# KiCad board Parallel.kicad_pcb (continued)
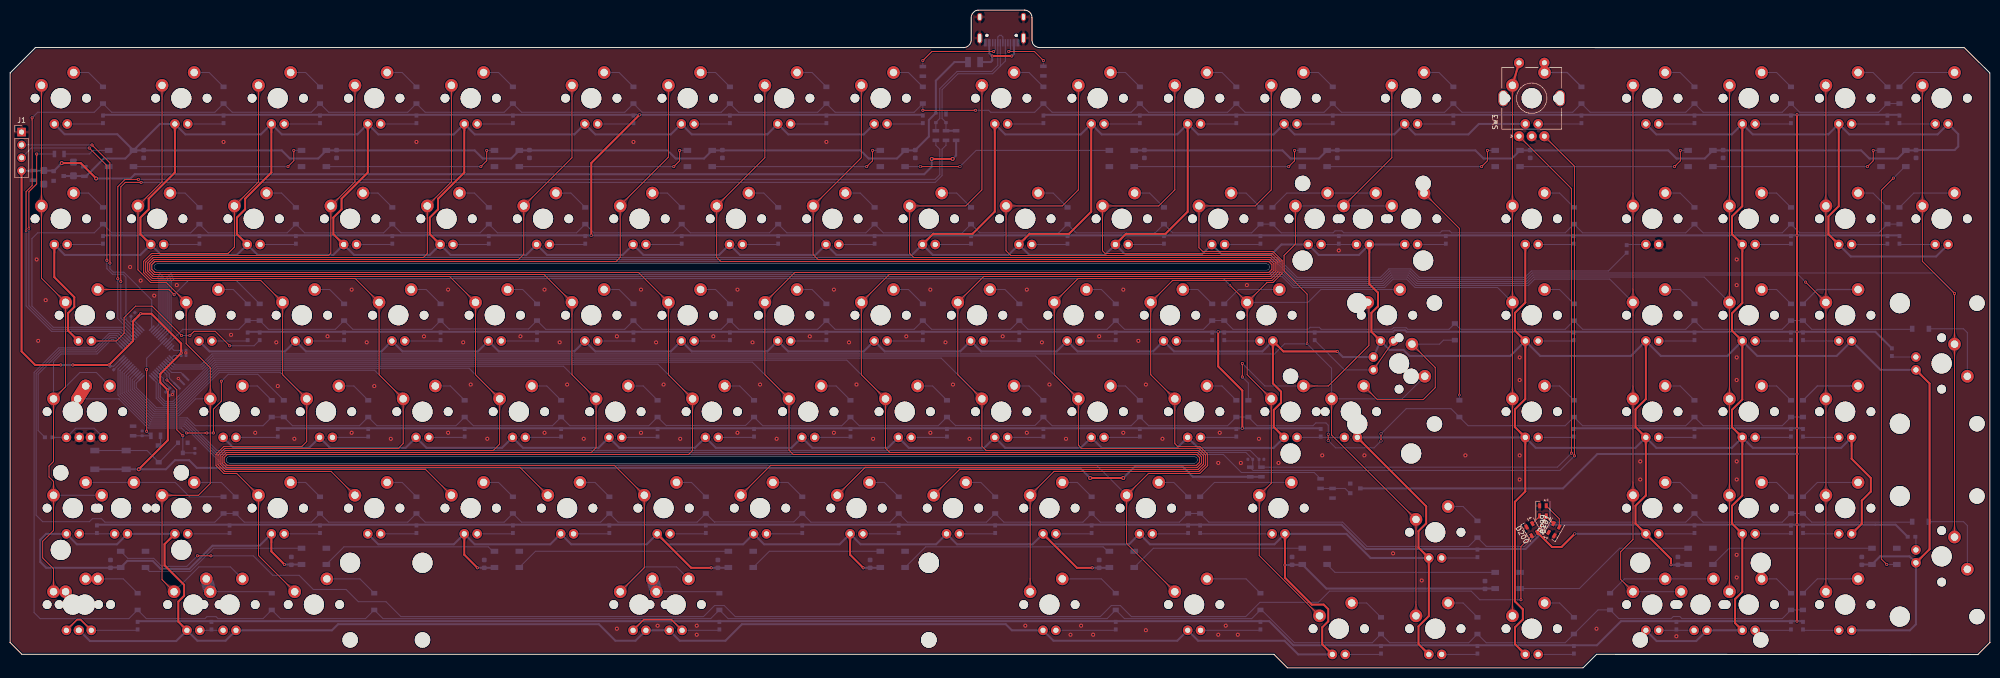
[diagram p0: board, top side]
## Copper pours and planes (outline as drawn; the poured copper is in the pictures) (continued)
SWDIO on Bottom: 3.47,102.1 2.27,101.6 1.96,100.45 3.11,100.76 3.61,101.96
Net-(D1-Pad1) on Bottom: 13.33,107.53 11.95,108.1 10.79,107.43 11.95,106.77 13.33,107.33
Net-(D2-Pad1) on Bottom: 37.14,107.53 35.76,108.1 34.61,107.43 35.76,106.77 37.14,107.33
Net-(D3-Pad1) on Bottom: 280.03,107.53 278.65,108.1 277.49,107.43 278.65,106.77 280.03,107.33
Net-(D4-Pad1) on Bottom: 303.84,107.53 302.46,108.1 301.31,107.43 302.46,106.77 303.84,107.33
Net-(D5-Pad1) on Bottom: 327.65,107.53 326.27,108.1 325.12,107.43 326.27,106.77 327.65,107.33
Net-(D6-Pad1) on Bottom: 56.19,107.53 54.81,108.1 53.66,107.43 54.81,106.77 56.19,107.33
Net-(D7-Pad1) on Bottom: 256.22,107.53 254.84,108.1 253.68,107.43 254.84,106.77 256.22,107.33
Net-(D8-Pad1) on Bottom: 237.17,107.53 235.79,108.1 234.63,107.43 235.79,106.77 237.17,107.33
Net-(D9-Pad1) on Bottom: 75.24,107.53 73.86,108.1 72.71,107.43 73.86,106.77 75.24,107.33
Net-(D10-Pad1) on Bottom: 175.25,107.53 173.87,108.1 172.72,107.43 173.87,106.77 175.25,107.33
Net-(D11-Pad1) on Bottom: 218.12,107.53 216.74,108.1 215.58,107.43 216.74,106.77 218.12,107.33
Net-(D12-Pad1) on Bottom: 94.29,107.53 92.91,108.1 91.76,107.43 92.91,106.77 94.29,107.33
Net-(D13-Pad1) on Bottom: 156.2,107.53 154.82,108.1 153.67,107.43 154.82,106.77 156.2,107.33
Net-(D14-Pad1) on Bottom: 199.07,107.53 197.69,108.1 196.53,107.43 197.69,106.77 199.07,107.33
Net-(D15-Pad1) on Bottom: 118.1,107.53 116.72,108.1 115.57,107.43 116.72,106.77 118.1,107.33
Net-(D16-Pad1) on Bottom: 137.15,107.53 135.77,108.1 134.62,107.43 135.77,106.77 137.15,107.33
Net-(D17-Pad2) on Bottom: 15.32,117.69 15.24,117.7 15.17,117.7 15.09,117.7 15.02,117.71 14.95,117.72 14.88,117.73 14.81,117.74 14.74,117.75 14.67,117.76 14.61,117.78 14.54,117.8 14.48,117.82 14.41,117.84 14.35,117.86 14.28,117.89 14.22,117.91 14.16,117.94 14.1,117.97 14.04,118.01 13.98,118.04 13.92,118.07 13.86,118.11 13.81,118.15 13.75,118.19 13.7,118.23 13.64,118.28 13.59,118.32 13.54,118.37 13.48,118.42 13.43,118.47 11.91,117.59 13.43,116.72 13.48,116.77 13.54,116.82 13.59,116.87 13.64,116.91 13.7,116.96 13.75,117 13.81,117.04 13.86,117.08 13.92,117.11 13.98,117.15 14.04,117.18 14.1,117.22 14.16,117.25 14.22,117.27 14.28,117.3 14.35,117.33 14.41,117.35 14.48,117.37 14.54,117.39 14.61,117.41 14.67,117.42 14.74,117.44 14.81,117.45 14.88,117.46 14.95,117.47 15.02,117.48 15.09,117.49 15.17,117.49 15.24,117.49 15.32,117.49
Net-(D18-Pad2) on Bottom: 15.32,93.88 15.24,93.88 15.17,93.89 15.09,93.89 15.02,93.9 14.95,93.9 14.88,93.91 14.81,93.92 14.74,93.94 14.67,93.95 14.61,93.97 14.54,93.99 14.48,94.01 14.41,94.03 14.35,94.05 14.28,94.08 14.22,94.1 14.16,94.13 14.1,94.16 14.04,94.19 13.98,94.23 13.92,94.26 13.86,94.3 13.81,94.34 13.75,94.38 13.7,94.42 13.64,94.46 13.59,94.51 13.54,94.56 13.48,94.61 13.43,94.66 11.91,93.78 13.43,92.91 13.48,92.96 13.54,93.01 13.59,93.05 13.64,93.1 13.7,93.14 13.75,93.19 13.81,93.23 13.86,93.27 13.92,93.3 13.98,93.34 14.04,93.37 14.1,93.4 14.16,93.43 14.22,93.46 14.28,93.49 14.35,93.51 14.41,93.54 14.48,93.56 14.54,93.58 14.61,93.6 14.67,93.61 14.74,93.63 14.81,93.64 14.88,93.65 14.95,93.66 15.02,93.67 15.09,93.67 15.17,93.68 15.24,93.68 15.32,93.68
Net-(D19-Pad2) on Bottom: 39.13,117.69 39.05,117.7 38.98,117.7 38.91,117.7 38.84,117.71 38.76,117.72 38.69,117.73 38.62,117.74 38.56,117.75 38.49,117.76 38.42,117.78 38.35,117.8 38.29,117.82 38.22,117.84 38.16,117.86 38.1,117.89 38.03,117.91 37.97,117.94 37.91,117.97 37.85,118.01 37.79,118.04 37.73,118.07 37.68,118.11 37.62,118.15 37.56,118.19 37.51,118.23 37.45,118.28 37.4,118.32 37.35,118.37 37.3,118.42 37.24,118.47 35.73,117.59 37.24,116.72 37.3,116.77 37.35,116.82 37.4,116.87 37.45,116.91 37.51,116.96 37.56,117 37.62,117.04 37.68,117.08 37.73,117.11 37.79,117.15 37.85,117.18 37.91,117.22 37.97,117.25 38.03,117.27 38.1,117.3 38.16,117.33 38.22,117.35 38.29,117.37 38.35,117.39 38.42,117.41 38.49,117.42 38.56,117.44 38.62,117.45 38.69,117.46 38.76,117.47 38.84,117.48 38.91,117.49 38.98,117.49 39.05,117.49 39.13,117.49
Net-(D20-Pad2) on Bottom: 34.37,93.88 34.29,93.88 34.22,93.89 34.14,93.89 34.07,93.9 34,93.9 33.93,93.91 33.86,93.92 33.79,93.94 33.72,93.95 33.66,93.97 33.59,93.99 33.53,94.01 33.46,94.03 33.4,94.05 33.33,94.08 33.27,94.1 33.21,94.13 33.15,94.16 33.09,94.19 33.03,94.23 32.97,94.26 32.91,94.3 32.86,94.34 32.8,94.38 32.75,94.42 32.69,94.46 32.64,94.51 32.59,94.56 32.53,94.61 32.48,94.66 30.96,93.78 32.48,92.91 32.53,92.96 32.59,93.01 32.64,93.05 32.69,93.1 32.75,93.14 32.8,93.19 32.86,93.23 32.91,93.27 32.97,93.3 33.03,93.34 33.09,93.37 33.15,93.4 33.21,93.43 33.27,93.46 33.33,93.49 33.4,93.51 33.46,93.54 33.53,93.56 33.59,93.58 33.66,93.6 33.72,93.61 33.79,93.63 33.86,93.64 33.93,93.65 34,93.66 34.07,93.67 34.14,93.67 34.22,93.68 34.29,93.68 34.37,93.68
Net-(D21-Pad2) on Bottom: 58.18,117.69 58.1,117.7 58.03,117.7 57.96,117.7 57.89,117.71 57.81,117.72 57.74,117.73 57.67,117.74 57.61,117.75 57.54,117.76 57.47,117.78 57.4,117.8 57.34,117.82 57.27,117.84 57.21,117.86 57.15,117.89 57.08,117.91 57.02,117.94 56.96,117.97 56.9,118.01 56.84,118.04 56.78,118.07 56.73,118.11 56.67,118.15 56.61,118.19 56.56,118.23 56.5,118.28 56.45,118.32 56.4,118.37 56.35,118.42 56.29,118.47 54.78,117.59 56.29,116.72 56.35,116.77 56.4,116.82 56.45,116.87 56.5,116.91 56.56,116.96 56.61,117 56.67,117.04 56.73,117.08 56.78,117.11 56.84,117.15 56.9,117.18 56.96,117.22 57.02,117.25 57.08,117.27 57.15,117.3 57.21,117.33 57.27,117.35 57.34,117.37 57.4,117.39 57.47,117.41 57.54,117.42 57.61,117.44 57.67,117.45 57.74,117.46 57.81,117.47 57.89,117.48 57.96,117.49 58.03,117.49 58.1,117.49 58.18,117.49
Net-(D22-Pad2) on Bottom: 53.42,93.88 53.34,93.88 53.27,93.89 53.19,93.89 53.12,93.9 53.05,93.9 52.98,93.91 52.91,93.92 52.84,93.94 52.77,93.95 52.71,93.97 52.64,93.99 52.58,94.01 52.51,94.03 52.45,94.05 52.38,94.08 52.32,94.1 52.26,94.13 52.2,94.16 52.14,94.19 52.08,94.23 52.02,94.26 51.96,94.3 51.91,94.34 51.85,94.38 51.8,94.42 51.74,94.46 51.69,94.51 51.64,94.56 51.58,94.61 51.53,94.66 50.01,93.78 51.53,92.91 51.58,92.96 51.64,93.01 51.69,93.05 51.74,93.1 51.8,93.14 51.85,93.19 51.91,93.23 51.96,93.27 52.02,93.3 52.08,93.34 52.14,93.37 52.2,93.4 52.26,93.43 52.32,93.46 52.38,93.49 52.45,93.51 52.51,93.54 52.58,93.56 52.64,93.58 52.71,93.6 52.77,93.61 52.84,93.63 52.91,93.64 52.98,93.65 53.05,93.66 53.12,93.67 53.19,93.67 53.27,93.68 53.34,93.68 53.42,93.68
Net-(D23-Pad2) on Bottom: 77.23,117.69 77.15,117.7 77.08,117.7 77.01,117.7 76.94,117.71 76.86,117.72 76.79,117.73 76.72,117.74 76.66,117.75 76.59,117.76 76.52,117.78 76.45,117.8 76.39,117.82 76.32,117.84 76.26,117.86 76.2,117.89 76.13,117.91 76.07,117.94 76.01,117.97 75.95,118.01 75.89,118.04 75.83,118.07 75.78,118.11 75.72,118.15 75.66,118.19 75.61,118.23 75.55,118.28 75.5,118.32 75.45,118.37 75.4,118.42 75.34,118.47 73.83,117.59 75.34,116.72 75.4,116.77 75.45,116.82 75.5,116.87 75.55,116.91 75.61,116.96 75.66,117 75.72,117.04 75.78,117.08 75.83,117.11 75.89,117.15 75.95,117.18 76.01,117.22 76.07,117.25 76.13,117.27 76.2,117.3 76.26,117.33 76.32,117.35 76.39,117.37 76.45,117.39 76.52,117.41 76.59,117.42 76.66,117.44 76.72,117.45 76.79,117.46 76.86,117.47 76.94,117.48 77.01,117.49 77.08,117.49 77.15,117.49 77.23,117.49
Net-(D24-Pad2) on Bottom: 72.47,93.88 72.39,93.88 72.32,93.89 72.24,93.89 72.17,93.9 72.1,93.9 72.03,93.91 71.96,93.92 71.89,93.94 71.82,93.95 71.76,93.97 71.69,93.99 71.63,94.01 71.56,94.03 71.5,94.05 71.43,94.08 71.37,94.1 71.31,94.13 71.25,94.16 71.19,94.19 71.13,94.23 71.07,94.26 71.01,94.3 70.96,94.34 70.9,94.38 70.85,94.42 70.79,94.46 70.74,94.51 70.69,94.56 70.63,94.61 70.58,94.66 69.06,93.78 70.58,92.91 70.63,92.96 70.69,93.01 70.74,93.05 70.79,93.1 70.85,93.14 70.9,93.19 70.96,93.23 71.01,93.27 71.07,93.3 71.13,93.34 71.19,93.37 71.25,93.4 71.31,93.43 71.37,93.46 71.43,93.49 71.5,93.51 71.56,93.54 71.63,93.56 71.69,93.58 71.76,93.6 71.82,93.61 71.89,93.63 71.96,93.64 72.03,93.65 72.1,93.66 72.17,93.67 72.24,93.67 72.32,93.68 72.39,93.68 72.47,93.68
Net-(D25-Pad2) on Bottom: 96.28,117.69 96.2,117.7 96.13,117.7 96.06,117.7 95.99,117.71 95.91,117.72 95.84,117.73 95.77,117.74 95.71,117.75 95.64,117.76 95.57,117.78 95.5,117.8 95.44,117.82 95.37,117.84 95.31,117.86 95.25,117.89 95.18,117.91 95.12,117.94 95.06,117.97 95,118.01 94.94,118.04 94.88,118.07 94.83,118.11 94.77,118.15 94.71,118.19 94.66,118.23 94.6,118.28 94.55,118.32 94.5,118.37 94.45,118.42 94.39,118.47 92.88,117.59 94.39,116.72 94.45,116.77 94.5,116.82 94.55,116.87 94.6,116.91 94.66,116.96 94.71,117 94.77,117.04 94.83,117.08 94.88,117.11 94.94,117.15 95,117.18 95.06,117.22 95.12,117.25 95.18,117.27 95.25,117.3 95.31,117.33 95.37,117.35 95.44,117.37 95.5,117.39 95.57,117.41 95.64,117.42 95.71,117.44 95.77,117.45 95.84,117.46 95.91,117.47 95.99,117.48 96.06,117.49 96.13,117.49 96.2,117.49 96.28,117.49
Net-(D26-Pad2) on Bottom: 91.52,93.88 91.44,93.88 91.37,93.89 91.29,93.89 91.22,93.9 91.15,93.9 91.08,93.91 91.01,93.92 90.94,93.94 90.87,93.95 90.81,93.97 90.74,93.99 90.68,94.01 90.61,94.03 90.55,94.05 90.48,94.08 90.42,94.1 90.36,94.13 90.3,94.16 90.24,94.19 90.18,94.23 90.12,94.26 90.06,94.3 90.01,94.34 89.95,94.38 89.9,94.42 89.84,94.46 89.79,94.51 89.74,94.56 89.68,94.61 89.63,94.66 88.11,93.78 89.63,92.91 89.68,92.96 89.74,93.01 89.79,93.05 89.84,93.1 89.9,93.14 89.95,93.19 90.01,93.23 90.06,93.27 90.12,93.3 90.18,93.34 90.24,93.37 90.3,93.4 90.36,93.43 90.42,93.46 90.48,93.49 90.55,93.51 90.61,93.54 90.68,93.56 90.74,93.58 90.81,93.6 90.87,93.61 90.94,93.63 91.01,93.64 91.08,93.65 91.15,93.66 91.22,93.67 91.29,93.67 91.37,93.68 91.44,93.68 91.52,93.68
Net-(D27-Pad2) on Bottom: 120.09,117.69 120.02,117.7 119.94,117.7 119.87,117.7 119.8,117.71 119.73,117.72 119.66,117.73 119.59,117.74 119.52,117.75 119.45,117.76 119.38,117.78 119.32,117.8 119.25,117.82 119.19,117.84 119.12,117.86 119.06,117.89 119,117.91 118.93,117.94 118.87,117.97 118.81,118.01 118.75,118.04 118.7,118.07 118.64,118.11 118.58,118.15 118.53,118.19 118.47,118.23 118.42,118.28 118.36,118.32 118.31,118.37 118.26,118.42 118.21,118.47 116.69,117.59 118.21,116.72 118.26,116.77 118.31,116.82 118.36,116.87 118.42,116.91 118.47,116.96 118.53,117 118.58,117.04 118.64,117.08 118.7,117.11 118.75,117.15 118.81,117.18 118.87,117.22 118.93,117.25 119,117.27 119.06,117.3 119.12,117.33 119.19,117.35 119.25,117.37 119.32,117.39 119.38,117.41 119.45,117.42 119.52,117.44 119.59,117.45 119.66,117.46 119.73,117.47 119.8,117.48 119.87,117.49 119.94,117.49 120.02,117.49 120.09,117.49
Net-(D28-Pad2) on Bottom: 110.57,93.88 110.49,93.88 110.42,93.89 110.34,93.89 110.27,93.9 110.2,93.9 110.13,93.91 110.06,93.92 109.99,93.94 109.92,93.95 109.86,93.97 109.79,93.99 109.73,94.01 109.66,94.03 109.6,94.05 109.53,94.08 109.47,94.1 109.41,94.13 109.35,94.16 109.29,94.19 109.23,94.23 109.17,94.26 109.11,94.3 109.06,94.34 109,94.38 108.95,94.42 108.89,94.46 108.84,94.51 108.79,94.56 108.73,94.61 108.68,94.66 107.16,93.78 108.68,92.91 108.73,92.96 108.79,93.01 108.84,93.05 108.89,93.1 108.95,93.14 109,93.19 109.06,93.23 109.11,93.27 109.17,93.3 109.23,93.34 109.29,93.37 109.35,93.4 109.41,93.43 109.47,93.46 109.53,93.49 109.6,93.51 109.66,93.54 109.73,93.56 109.79,93.58 109.86,93.6 109.92,93.61 109.99,93.63 110.06,93.64 110.13,93.65 110.2,93.66 110.27,93.67 110.34,93.67 110.42,93.68 110.49,93.68 110.57,93.68
Net-(D29-Pad2) on Bottom: 139.14,117.69 139.07,117.7 138.99,117.7 138.92,117.7 138.85,117.71 138.78,117.72 138.71,117.73 138.64,117.74 138.57,117.75 138.5,117.76 138.43,117.78 138.37,117.8 138.3,117.82 138.24,117.84 138.17,117.86 138.11,117.89 138.05,117.91 137.98,117.94 137.92,117.97 137.86,118.01 137.8,118.04 137.75,118.07 137.69,118.11 137.63,118.15 137.58,118.19 137.52,118.23 137.47,118.28 137.41,118.32 137.36,118.37 137.31,118.42 137.26,118.47 135.74,117.59 137.26,116.72 137.31,116.77 137.36,116.82 137.41,116.87 137.47,116.91 137.52,116.96 137.58,117 137.63,117.04 137.69,117.08 137.75,117.11 137.8,117.15 137.86,117.18 137.92,117.22 137.98,117.25 138.05,117.27 138.11,117.3 138.17,117.33 138.24,117.35 138.3,117.37 138.37,117.39 138.43,117.41 138.5,117.42 138.57,117.44 138.64,117.45 138.71,117.46 138.78,117.47 138.85,117.48 138.92,117.49 138.99,117.49 139.07,117.49 139.14,117.49
Net-(D30-Pad2) on Bottom: 129.62,93.88 129.54,93.88 129.47,93.89 129.39,93.89 129.32,93.9 129.25,93.9 129.18,93.91 129.11,93.92 129.04,93.94 128.97,93.95 128.91,93.97 128.84,93.99 128.78,94.01 128.71,94.03 128.65,94.05 128.58,94.08 128.52,94.1 128.46,94.13 128.4,94.16 128.34,94.19 128.28,94.23 128.22,94.26 128.16,94.3 128.11,94.34 128.05,94.38 128,94.42 127.94,94.46 127.89,94.51 127.84,94.56 127.78,94.61 127.73,94.66 126.21,93.78 127.73,92.91 127.78,92.96 127.84,93.01 127.89,93.05 127.94,93.1 128,93.14 128.05,93.19 128.11,93.23 128.16,93.27 128.22,93.3 128.28,93.34 128.34,93.37 128.4,93.4 128.46,93.43 128.52,93.46 128.58,93.49 128.65,93.51 128.71,93.54 128.78,93.56 128.84,93.58 128.91,93.6 128.97,93.61 129.04,93.63 129.11,93.64 129.18,93.65 129.25,93.66 129.32,93.67 129.39,93.67 129.47,93.68 129.54,93.68 129.62,93.68
Net-(D31-Pad2) on Bottom: 158.19,117.69 158.12,117.7 158.04,117.7 157.97,117.7 157.9,117.71 157.83,117.72 157.76,117.73 157.69,117.74 157.62,117.75 157.55,117.76 157.48,117.78 157.42,117.8 157.35,117.82 157.29,117.84 157.22,117.86 157.16,117.89 157.1,117.91 157.03,117.94 156.97,117.97 156.91,118.01 156.85,118.04 156.8,118.07 156.74,118.11 156.68,118.15 156.63,118.19 156.57,118.23 156.52,118.28 156.46,118.32 156.41,118.37 156.36,118.42 156.31,118.47 154.79,117.59 156.31,116.72 156.36,116.77 156.41,116.82 156.46,116.87 156.52,116.91 156.57,116.96 156.63,117 156.68,117.04 156.74,117.08 156.8,117.11 156.85,117.15 156.91,117.18 156.97,117.22 157.03,117.25 157.1,117.27 157.16,117.3 157.22,117.33 157.29,117.35 157.35,117.37 157.42,117.39 157.48,117.41 157.55,117.42 157.62,117.44 157.69,117.45 157.76,117.46 157.83,117.47 157.9,117.48 157.97,117.49 158.04,117.49 158.12,117.49 158.19,117.49
Net-(D32-Pad2) on Bottom: 148.67,93.88 148.59,93.88 148.52,93.89 148.44,93.89 148.37,93.9 148.3,93.9 148.23,93.91 148.16,93.92 148.09,93.94 148.02,93.95 147.96,93.97 147.89,93.99 147.83,94.01 147.76,94.03 147.7,94.05 147.63,94.08 147.57,94.1 147.51,94.13 147.45,94.16 147.39,94.19 147.33,94.23 147.27,94.26 147.21,94.3 147.16,94.34 147.1,94.38 147.05,94.42 146.99,94.46 146.94,94.51 146.89,94.56 146.83,94.61 146.78,94.66 145.26,93.78 146.78,92.91 146.83,92.96 146.89,93.01 146.94,93.05 146.99,93.1 147.05,93.14 147.1,93.19 147.16,93.23 147.21,93.27 147.27,93.3 147.33,93.34 147.39,93.37 147.45,93.4 147.51,93.43 147.57,93.46 147.63,93.49 147.7,93.51 147.76,93.54 147.83,93.56 147.89,93.58 147.96,93.6 148.02,93.61 148.09,93.63 148.16,93.64 148.23,93.65 148.3,93.66 148.37,93.67 148.44,93.67 148.52,93.68 148.59,93.68 148.67,93.68
Net-(D33-Pad2) on Bottom: 177.24,117.69 177.17,117.7 177.09,117.7 177.02,117.7 176.95,117.71 176.88,117.72 176.81,117.73 176.74,117.74 176.67,117.75 176.6,117.76 176.53,117.78 176.47,117.8 176.4,117.82 176.34,117.84 176.27,117.86 176.21,117.89 176.15,117.91 176.08,117.94 176.02,117.97 175.96,118.01 175.9,118.04 175.85,118.07 175.79,118.11 175.73,118.15 175.68,118.19 175.62,118.23 175.57,118.28 175.51,118.32 175.46,118.37 175.41,118.42 175.36,118.47 173.84,117.59 175.36,116.72 175.41,116.77 175.46,116.82 175.51,116.87 175.57,116.91 175.62,116.96 175.68,117 175.73,117.04 175.79,117.08 175.85,117.11 175.9,117.15 175.96,117.18 176.02,117.22 176.08,117.25 176.15,117.27 176.21,117.3 176.27,117.33 176.34,117.35 176.4,117.37 176.47,117.39 176.53,117.41 176.6,117.42 176.67,117.44 176.74,117.45 176.81,117.46 176.88,117.47 176.95,117.48 177.02,117.49 177.09,117.49 177.17,117.49 177.24,117.49
Net-(D34-Pad2) on Bottom: 167.72,93.88 167.64,93.88 167.57,93.89 167.49,93.89 167.42,93.9 167.35,93.9 167.28,93.91 167.21,93.92 167.14,93.94 167.07,93.95 167.01,93.97 166.94,93.99 166.88,94.01 166.81,94.03 166.75,94.05 166.68,94.08 166.62,94.1 166.56,94.13 166.5,94.16 166.44,94.19 166.38,94.23 166.32,94.26 166.26,94.3 166.21,94.34 166.15,94.38 166.1,94.42 166.04,94.46 165.99,94.51 165.94,94.56 165.88,94.61 165.83,94.66 164.31,93.78 165.83,92.91 165.88,92.96 165.94,93.01 165.99,93.05 166.04,93.1 166.1,93.14 166.15,93.19 166.21,93.23 166.26,93.27 166.32,93.3 166.38,93.34 166.44,93.37 166.5,93.4 166.56,93.43 166.62,93.46 166.68,93.49 166.75,93.51 166.81,93.54 166.88,93.56 166.94,93.58 167.01,93.6 167.07,93.61 167.14,93.63 167.21,93.64 167.28,93.65 167.35,93.66 167.42,93.67 167.49,93.67 167.57,93.68 167.64,93.68 167.72,93.68
Net-(D35-Pad1) on Top: 131.24,8.69 131.76,7.43 133.05,7.08 132.7,8.37 131.45,8.9
Net-(D35-Pad1) on Top: 124.29,8.9 123.04,8.37 122.69,7.08 123.98,7.43 124.51,8.69
Net-(D35-Pad1) on Bottom: 134.77,7.52 133.39,8.09 132.24,7.42 133.39,6.75 134.77,7.32
Net-(D36-Pad2) on Bottom: 201.05,117.69 200.98,117.7 200.91,117.7 200.83,117.7 200.76,117.71 200.69,117.72 200.62,117.73 200.55,117.74 200.48,117.75 200.41,117.76 200.34,117.78 200.28,117.8 200.21,117.82 200.15,117.84 200.08,117.86 200.02,117.89 199.96,117.91 199.9,117.94 199.84,117.97 199.78,118.01 199.72,118.04 199.66,118.07 199.6,118.11 199.54,118.15 199.49,118.19 199.43,118.23 199.38,118.28 199.33,118.32 199.27,118.37 199.22,118.42 199.17,118.47 197.65,117.59 199.17,116.72 199.22,116.77 199.27,116.82 199.33,116.87 199.38,116.91 199.43,116.96 199.49,117 199.54,117.04 199.6,117.08 199.66,117.11 199.72,117.15 199.78,117.18 199.84,117.22 199.9,117.25 199.96,117.27 200.02,117.3 200.08,117.33 200.15,117.35 200.21,117.37 200.28,117.39 200.34,117.41 200.41,117.42 200.48,117.44 200.55,117.45 200.62,117.46 200.69,117.47 200.76,117.48 200.83,117.49 200.91,117.49 200.98,117.49 201.05,117.49
Net-(D37-Pad2) on Bottom: 186.77,93.88 186.69,93.88 186.62,93.89 186.54,93.89 186.47,93.9 186.4,93.9 186.33,93.91 186.26,93.92 186.19,93.94 186.12,93.95 186.06,93.97 185.99,93.99 185.93,94.01 185.86,94.03 185.8,94.05 185.73,94.08 185.67,94.1 185.61,94.13 185.55,94.16 185.49,94.19 185.43,94.23 185.37,94.26 185.31,94.3 185.26,94.34 185.2,94.38 185.15,94.42 185.09,94.46 185.04,94.51 184.99,94.56 184.93,94.61 184.88,94.66 183.36,93.78 184.88,92.91 184.93,92.96 184.99,93.01 185.04,93.05 185.09,93.1 185.15,93.14 185.2,93.19 185.26,93.23 185.31,93.27 185.37,93.3 185.43,93.34 185.49,93.37 185.55,93.4 185.61,93.43 185.67,93.46 185.73,93.49 185.8,93.51 185.86,93.54 185.93,93.56 185.99,93.58 186.06,93.6 186.12,93.61 186.19,93.63 186.26,93.64 186.33,93.65 186.4,93.66 186.47,93.67 186.54,93.67 186.62,93.68 186.69,93.68 186.77,93.68
Net-(D39-Pad2) on Bottom: 220.1,117.69 220.03,117.7 219.96,117.7 219.88,117.7 219.81,117.71 219.74,117.72 219.67,117.73 219.6,117.74 219.53,117.75 219.46,117.76 219.39,117.78 219.33,117.8 219.26,117.82 219.2,117.84 219.13,117.86 219.07,117.89 219.01,117.91 218.95,117.94 218.89,117.97 218.83,118.01 218.77,118.04 218.71,118.07 218.65,118.11 218.59,118.15 218.54,118.19 218.48,118.23 218.43,118.28 218.38,118.32 218.32,118.37 218.27,118.42 218.22,118.47 216.7,117.59 218.22,116.72 218.27,116.77 218.32,116.82 218.38,116.87 218.43,116.91 218.48,116.96 218.54,117 218.59,117.04 218.65,117.08 218.71,117.11 218.77,117.15 218.83,117.18 218.89,117.22 218.95,117.25 219.01,117.27 219.07,117.3 219.13,117.33 219.2,117.35 219.26,117.37 219.33,117.39 219.39,117.41 219.46,117.42 219.53,117.44 219.6,117.45 219.67,117.46 219.74,117.47 219.81,117.48 219.88,117.49 219.96,117.49 220.03,117.49 220.1,117.49
Net-(D40-Pad2) on Bottom: 205.82,93.88 205.74,93.88 205.67,93.89 205.59,93.89 205.52,93.9 205.45,93.9 205.38,93.91 205.31,93.92 205.24,93.94 205.17,93.95 205.11,93.97 205.04,93.99 204.98,94.01 204.91,94.03 204.85,94.05 204.78,94.08 204.72,94.1 204.66,94.13 204.6,94.16 204.54,94.19 204.48,94.23 204.42,94.26 204.36,94.3 204.31,94.34 204.25,94.38 204.2,94.42 204.14,94.46 204.09,94.51 204.04,94.56 203.98,94.61 203.93,94.66 202.41,93.78 203.93,92.91 203.98,92.96 204.04,93.01 204.09,93.05 204.14,93.1 204.2,93.14 204.25,93.19 204.31,93.23 204.36,93.27 204.42,93.3 204.48,93.34 204.54,93.37 204.6,93.4 204.66,93.43 204.72,93.46 204.78,93.49 204.85,93.51 204.91,93.54 204.98,93.56 205.04,93.58 205.11,93.6 205.17,93.61 205.24,93.63 205.31,93.64 205.38,93.65 205.45,93.66 205.52,93.67 205.59,93.67 205.67,93.68 205.74,93.68 205.82,93.68
Net-(D41-Pad1) on Bottom: 208.59,7.52 207.21,8.09 206.06,7.42 207.21,6.75 208.59,7.32
Net-(D42-Pad2) on Bottom: 239.15,117.69 239.08,117.7 239.01,117.7 238.93,117.7 238.86,117.71 238.79,117.72 238.72,117.73 238.65,117.74 238.58,117.75 238.51,117.76 238.44,117.78 238.38,117.8 238.31,117.82 238.25,117.84 238.18,117.86 238.12,117.89 238.06,117.91 238,117.94 237.94,117.97 237.88,118.01 237.82,118.04 237.76,118.07 237.7,118.11 237.64,118.15 237.59,118.19 237.53,118.23 237.48,118.28 237.43,118.32 237.37,118.37 237.32,118.42 237.27,118.47 235.75,117.59 237.27,116.72 237.32,116.77 237.37,116.82 237.43,116.87 237.48,116.91 237.53,116.96 237.59,117 237.64,117.04 237.7,117.08 237.76,117.11 237.82,117.15 237.88,117.18 237.94,117.22 238,117.25 238.06,117.27 238.12,117.3 238.18,117.33 238.25,117.35 238.31,117.37 238.38,117.39 238.44,117.41 238.51,117.42 238.58,117.44 238.65,117.45 238.72,117.46 238.79,117.47 238.86,117.48 238.93,117.49 239.01,117.49 239.08,117.49 239.15,117.49
Net-(D43-Pad2) on Bottom: 224.87,93.88 224.79,93.88 224.72,93.89 224.64,93.89 224.57,93.9 224.5,93.9 224.43,93.91 224.36,93.92 224.29,93.94 224.22,93.95 224.16,93.97 224.09,93.99 224.03,94.01 223.96,94.03 223.9,94.05 223.83,94.08 223.77,94.1 223.71,94.13 223.65,94.16 223.59,94.19 223.53,94.23 223.47,94.26 223.41,94.3 223.36,94.34 223.3,94.38 223.25,94.42 223.19,94.46 223.14,94.51 223.09,94.56 223.03,94.61 222.98,94.66 221.46,93.78 222.98,92.91 223.03,92.96 223.09,93.01 223.14,93.05 223.19,93.1 223.25,93.14 223.3,93.19 223.36,93.23 223.41,93.27 223.47,93.3 223.53,93.34 223.59,93.37 223.65,93.4 223.71,93.43 223.77,93.46 223.83,93.49 223.9,93.51 223.96,93.54 224.03,93.56 224.09,93.58 224.16,93.6 224.22,93.61 224.29,93.63 224.36,93.64 224.43,93.65 224.5,93.66 224.57,93.67 224.64,93.67 224.72,93.68 224.79,93.68 224.87,93.68
Net-(D44-Pad1) on Bottom: 237.17,7.52 235.79,8.09 234.63,7.42 235.79,6.75 237.17,7.32
Net-(D45-Pad2) on Bottom: 258.2,117.69 258.13,117.7 258.06,117.7 257.98,117.7 257.91,117.71 257.84,117.72 257.77,117.73 257.7,117.74 257.63,117.75 257.56,117.76 257.49,117.78 257.43,117.8 257.36,117.82 257.3,117.84 257.23,117.86 257.17,117.89 257.11,117.91 257.05,117.94 256.99,117.97 256.93,118.01 256.87,118.04 256.81,118.07 256.75,118.11 256.69,118.15 256.64,118.19 256.58,118.23 256.53,118.28 256.48,118.32 256.42,118.37 256.37,118.42 256.32,118.47 254.8,117.59 256.32,116.72 256.37,116.77 256.42,116.82 256.48,116.87 256.53,116.91 256.58,116.96 256.64,117 256.69,117.04 256.75,117.08 256.81,117.11 256.87,117.15 256.93,117.18 256.99,117.22 257.05,117.25 257.11,117.27 257.17,117.3 257.23,117.33 257.3,117.35 257.36,117.37 257.43,117.39 257.49,117.41 257.56,117.42 257.63,117.44 257.7,117.45 257.77,117.46 257.84,117.47 257.91,117.48 257.98,117.49 258.06,117.49 258.13,117.49 258.2,117.49
Net-(D46-Pad2) on Bottom: 243.92,93.88 243.84,93.88 243.77,93.89 243.69,93.89 243.62,93.9 243.55,93.9 243.48,93.91 243.41,93.92 243.34,93.94 243.27,93.95 243.21,93.97 243.14,93.99 243.08,94.01 243.01,94.03 242.95,94.05 242.88,94.08 242.82,94.1 242.76,94.13 242.7,94.16 242.64,94.19 242.58,94.23 242.52,94.26 242.46,94.3 242.41,94.34 242.35,94.38 242.3,94.42 242.24,94.46 242.19,94.51 242.14,94.56 242.08,94.61 242.03,94.66 240.51,93.78 242.03,92.91 242.08,92.96 242.14,93.01 242.19,93.05 242.24,93.1 242.3,93.14 242.35,93.19 242.41,93.23 242.46,93.27 242.52,93.3 242.58,93.34 242.64,93.37 242.7,93.4 242.76,93.43 242.82,93.46 242.88,93.49 242.95,93.51 243.01,93.54 243.08,93.56 243.14,93.58 243.21,93.6 243.27,93.61 243.34,93.63 243.41,93.64 243.48,93.65 243.55,93.66 243.62,93.67 243.69,93.67 243.77,93.68 243.84,93.68 243.92,93.68
Net-(D47-Pad1) on Bottom: 327.65,7.52 326.28,8.09 325.12,7.42 326.28,6.75 327.65,7.32
Net-(D47-Pad1) on Bottom: 330.52,7.32 331.9,6.75 333.06,7.42 331.9,8.09 330.52,7.52
Net-(D48-Pad2) on Bottom: 282.02,117.69 281.94,117.7 281.87,117.7 281.79,117.7 281.72,117.71 281.65,117.72 281.58,117.73 281.51,117.74 281.44,117.75 281.37,117.76 281.31,117.78 281.24,117.8 281.18,117.82 281.11,117.84 281.05,117.86 280.98,117.89 280.92,117.91 280.86,117.94 280.8,117.97 280.74,118.01 280.68,118.04 280.62,118.07 280.56,118.11 280.51,118.15 280.45,118.19 280.4,118.23 280.34,118.28 280.29,118.32 280.24,118.37 280.18,118.42 280.13,118.47 278.61,117.59 280.13,116.72 280.18,116.77 280.24,116.82 280.29,116.87 280.34,116.91 280.4,116.96 280.45,117 280.51,117.04 280.56,117.08 280.62,117.11 280.68,117.15 280.74,117.18 280.8,117.22 280.86,117.25 280.92,117.27 280.98,117.3 281.05,117.33 281.11,117.35 281.18,117.37 281.24,117.39 281.31,117.41 281.37,117.42 281.44,117.44 281.51,117.45 281.58,117.46 281.65,117.47 281.72,117.48 281.79,117.49 281.87,117.49 281.94,117.49 282.02,117.49
Net-(D49-Pad2) on Bottom: 257.41,93.68 257.49,93.68 257.56,93.68 257.63,93.67 257.71,93.67 257.78,93.66 257.85,93.65 257.92,93.64 257.99,93.63 258.06,93.61 258.12,93.6 258.19,93.58 258.25,93.56 258.32,93.54 258.38,93.51 258.45,93.49 258.51,93.46 258.57,93.43 258.63,93.4 258.69,93.37 258.75,93.34 258.81,93.3 258.87,93.27 258.92,93.23 258.98,93.19 259.03,93.14 259.09,93.1 259.14,93.05 259.19,93.01 259.25,92.96 259.3,92.91 260.81,93.78 259.3,94.66 259.25,94.61 259.19,94.56 259.14,94.51 259.09,94.46 259.03,94.42 258.98,94.38 258.92,94.34 258.87,94.3 258.81,94.26 258.75,94.23 258.69,94.19 258.63,94.16 258.57,94.13 258.51,94.1 258.45,94.08 258.38,94.05 258.32,94.03 258.25,94.01 258.19,93.99 258.12,93.97 258.06,93.95 257.99,93.94 257.92,93.92 257.85,93.91 257.78,93.9 257.71,93.9 257.63,93.89 257.56,93.89 257.49,93.88 257.41,93.88
Net-(D49-Pad2) on Bottom: 262.97,93.88 262.89,93.88 262.82,93.89 262.74,93.89 262.67,93.9 262.6,93.9 262.53,93.91 262.46,93.92 262.39,93.94 262.32,93.95 262.26,93.97 262.19,93.99 262.13,94.01 262.06,94.03 262,94.05 261.93,94.08 261.87,94.1 261.81,94.13 261.75,94.16 261.69,94.19 261.63,94.23 261.57,94.26 261.51,94.3 261.46,94.34 261.4,94.38 261.35,94.42 261.29,94.46 261.24,94.51 261.19,94.56 261.13,94.61 261.08,94.66 259.56,93.78 261.08,92.91 261.13,92.96 261.19,93.01 261.24,93.05 261.29,93.1 261.35,93.14 261.4,93.19 261.46,93.23 261.51,93.27 261.57,93.3 261.63,93.34 261.69,93.37 261.75,93.4 261.81,93.43 261.87,93.46 261.93,93.49 262,93.51 262.06,93.54 262.13,93.56 262.19,93.58 262.26,93.6 262.32,93.61 262.39,93.63 262.46,93.64 262.53,93.65 262.6,93.66 262.67,93.67 262.74,93.67 262.82,93.68 262.89,93.68 262.97,93.68
